# Altium PCB V1_PCB-main.PcbDoc (part 4 of 7)
Units mm, origin at the board's own origin, x right, y up, seen from the top; angles counter-clockwise.
Board outline 178 x 75 mm, 4 copper layers (Top Layer, Inner layer 1, Inner layer 2, Bottom Layer), stack 1.596 mm thick; 451 components, 230 nets, 1388 pads, 724 vias.
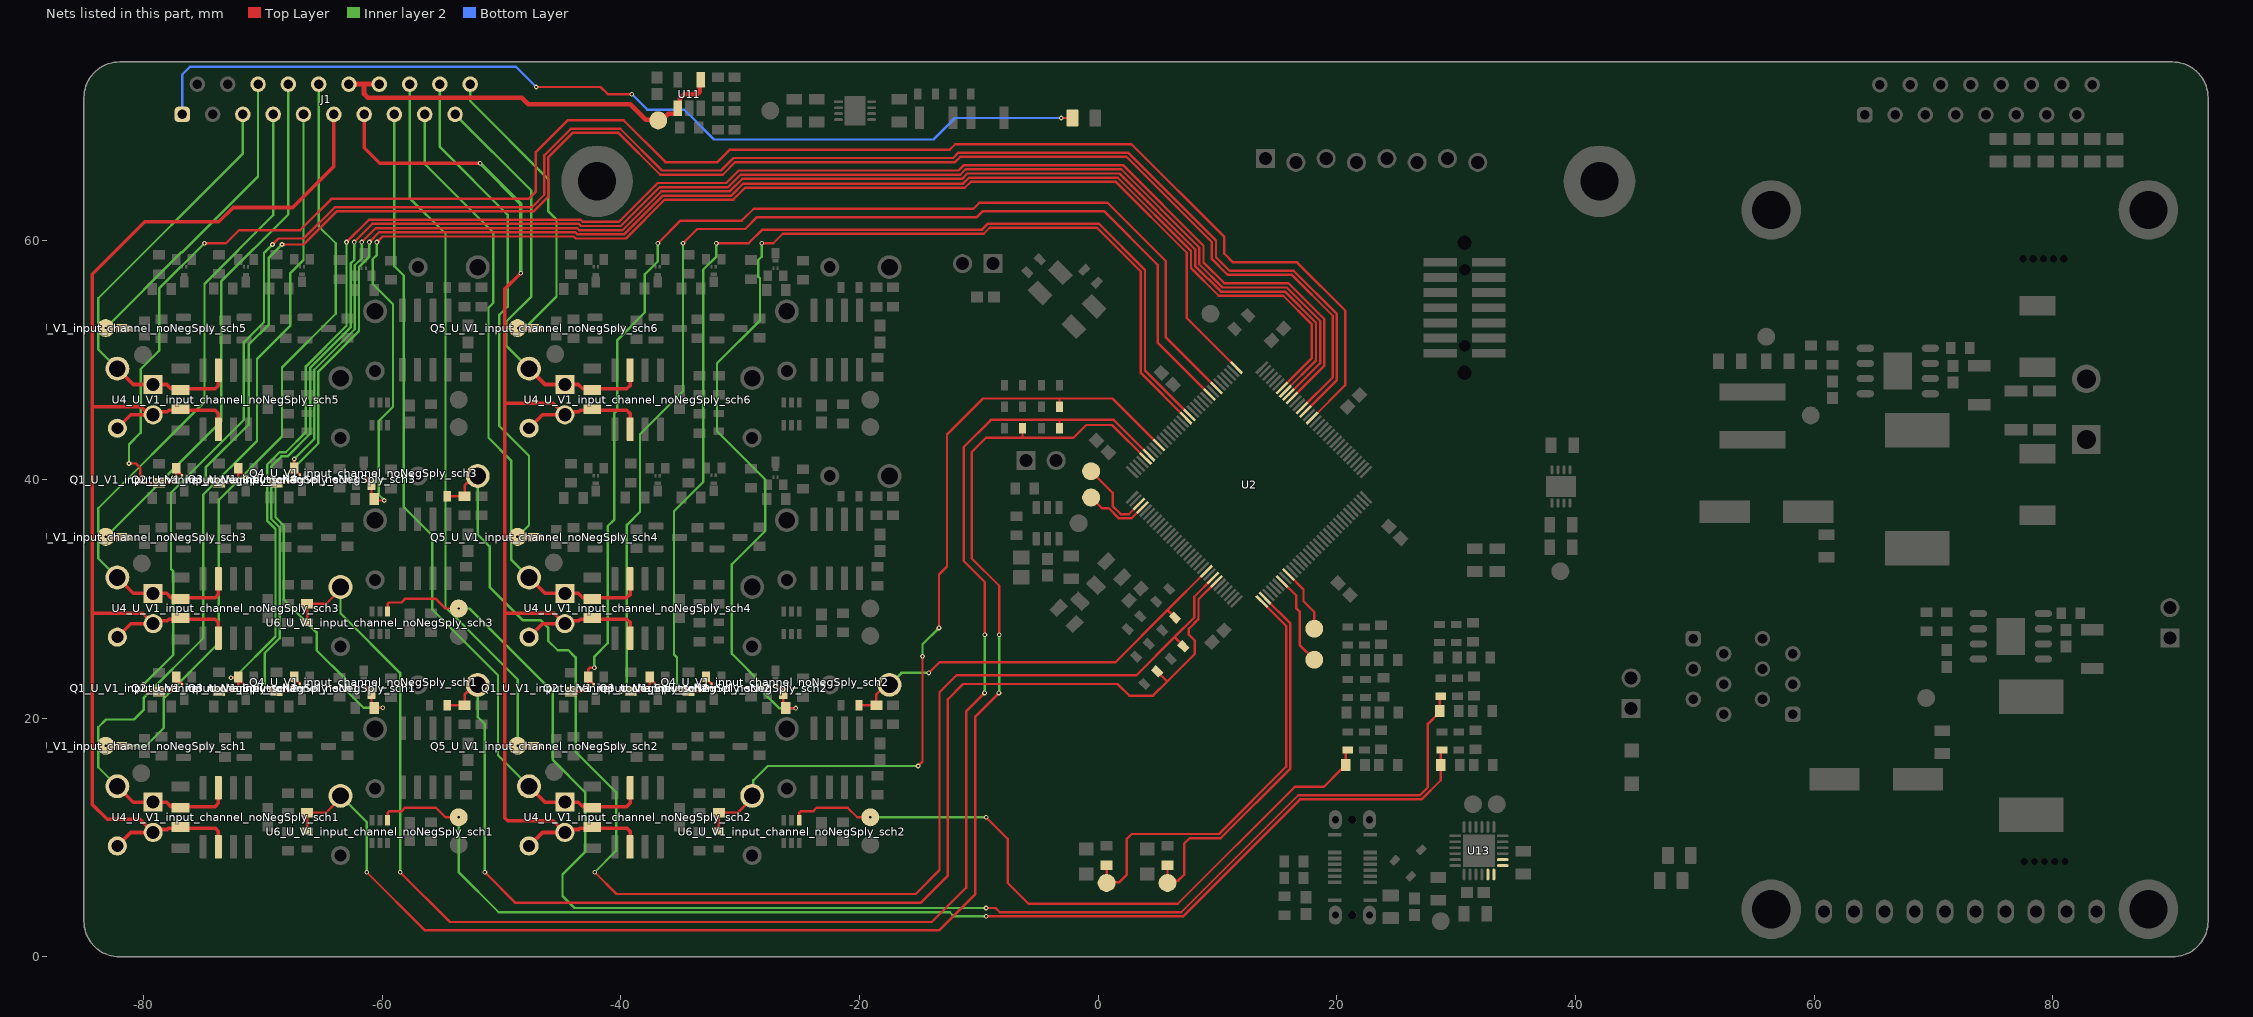
[diagram p6: the nets of this part, all layers, seen from the top]

## Via types
v1: diameter 0.4, hole 0.2, Top Layer to Bottom Layer, tented both sides, 712 vias
v2: diameter 0.5, hole 0.2, Top Layer to Bottom Layer, tented both sides, 12 vias

## Nets (pads, with @x,y where several pads share a name; then routed paths per layer and width w, separated by ;. In a path a pad name is that pad's centre, name@x,y a point inside that pad or via, vN(x,y) a via of type N, cw(c..) or ccw(c..) an arc to the next point about the centre after c; other vN are vias at no path point) (continued)
CH4-CUR: C26_U_V1_input_channel_noNegSply_sch3.2 C47.1 J6_U_V1_input_channel_noNegSply_sch3.POS R22_U_V1_input_channel_noNegSply_sch3.1 U2.57 | length 118.3
  Top Layer w0.2: C26_U_V1_input_channel_noNegSply_sch3.2@-54.55,38.6 R22_U_V1_input_channel_noNegSply_sch3.1@-53.1,38.6 -53.1,39.5 -52.3,40.3 J6_U_V1_input_channel_noNegSply_sch3.POS@-52,40.3 ; v1(-42.2,7.1) -40.375,5.275 -15.3,5.275 -13.3,7.275 -13.3,22.175 -11.875,23.6 3.195,23.6 6.397,26.803 ; C47.1@7.13,26.03 7.13,26.07 6.397,26.803 ; U2.57@9.615,31.752 8.05,30.188 8.05,28.455 6.397,26.803
  Inner layer 2 w0.2: J6_U_V1_input_channel_noNegSply_sch3.POS@-52,40.3 -52,35.4 -51,34.4 -51,31 -48.2,28.2 -46.7,28.2 -46.1,27.6 -46.1,26.5 -45.3,25.7 -44.4,25.7 -43.8,25.1 -43.8,17.2 -40.4,13.8 -40.4,8.9 v1(-42.2,7.1)
CH4-CUR-EN: Q4_U_V1_input_channel_noNegSply_sch3.2 R23_U_V1_input_channel_noNegSply_sch3.1 U2.1 | length 110.1
  Top Layer w0.2: Q4_U_V1_input_channel_noNegSply_sch3.2@-61.375,40.2 -61.375,40.165 -61.15,39.94 -61.15,39.825 Q4_U_V1_input_channel_noNegSply_sch3.2@-60.9,39.575 -60.9,38.6 -60.55,38.25 v1(-59.825,38.25) ; v1(-60.45,59.9) -59.975,60.375 -43.951,60.375 -43.776,60.2 -39.585,60.2 -36.335,63.45 -30.6,63.45 -29.6,64.45 -11.185,64.45 -10.685,64.95 1.485,64.95 7.419,59.016 7.419,53.543 U2.1@11.588,49.373
  Inner layer 2 w0.2: v1(-60.45,59.9) -60.45,58.823 -60.8,58.473 -60.8,56.4 -59.1,54.7 -59.1,46.1 -60.3,44.9 -60.3,38.725 v1(-59.825,38.25)
CH4-SETPOINT: C69.2 R52.1 TP6_U_V1_input_channel_noNegSply_sch3.1 U6_U_V1_input_channel_noNegSply_sch3.1 | length 122.4
  Top Layer w0.2: U6_U_V1_input_channel_noNegSply_sch3.1@-59.55,28.95 -59.55,29.583 -59.433,29.7 -58.4,29.7 -58.1,30 -55.5,30 -54.7,29.2 v1(-53.6,29.2) ; v1(-9.4,4.1) -8.6,4.1 -8.25,3.75 6.955,3.75 16.755,13.55 26.95,13.55 27.625,14.225 27.625,19.525 28.6,20.5 R52.1@28.6,20.6 28.6,21.75 C69.2@28.7,21.85
  Inner layer 2 w0.2: v1(-53.6,29.2) -52.7,29.2 -45.7,22.2 -45.7,16.5 -43,13.8 -43,8.8 -44.9,6.9 -44.9,5.1 -43.9,4.1 v1@-9.407,4.1
CH4-SHNTRNG-1: Q3_U_V1_input_channel_noNegSply_sch3.2 R20_U_V1_input_channel_noNegSply_sch3.1 U2.121 | length 119.9
  Top Layer w0.2: R20_U_V1_input_channel_noNegSply_sch3.1@-68.85,39.75 -67.7,39.75 -67.375,40.075 Q3_U_V1_input_channel_noNegSply_sch3.2@-67.375,40.975 ; v1(-67.375,41.725) Q3_U_V1_input_channel_noNegSply_sch3.2@-67.375,40.975 ; Q3_U_V1_input_channel_noNegSply_sch3.2@-66.9,40.35 -66.9,40.385 -67.125,40.61 -67.125,40.725 Q3_U_V1_input_channel_noNegSply_sch3.2@-67.375,40.975 ; v1(-61.725,59.9) -60.55,61.075 -43.661,61.075 -43.486,60.9 -39.875,60.9 -36.625,64.15 -30.89,64.15 -29.84,65.2 -11.425,65.2 -10.975,65.65 1.775,65.65 8.119,59.306 8.119,57.907 10.275,55.75 15.645,55.75 18.25,53.145 18.25,49.975 U2.121@15.674,47.399
  Inner layer 2 w0.2: v1(-67.375,41.725) -65.7,43.4 -65.7,49.2 -62.3,52.6 -62.3,57.963 -61.725,58.538 v1(-61.725,59.9)
CH4-SHNTRNG-10: Q2_U_V1_input_channel_noNegSply_sch3.2 R16_U_V1_input_channel_noNegSply_sch3.1 U2.116 | length 138.3
  Top Layer w0.2: v1(-74.8,39.725) -73.7,39.725 R16_U_V1_input_channel_noNegSply_sch3.1@-73.675,39.75 -72.4,39.75 -72.075,40.075 Q2_U_V1_input_channel_noNegSply_sch3.2@-72.075,40.95 -71.825,40.7 -71.825,40.585 -71.6,40.36 Q2_U_V1_input_channel_noNegSply_sch3.2@-71.6,40.325 ; v1(-68.4,59.7) -66.6,59.7 -63.825,62.475 -47.32,62.475 -46.075,63.72 -46.075,67.02 -44.045,69.05 -40.205,69.05 -36.705,65.55 -31.47,65.55 -30.42,66.6 -12.004,66.6 -11.554,67.05 2.354,67.05 9.519,59.886 9.519,58.487 10.855,57.15 16.225,57.15 19.65,53.725 19.65,48.555 U2.116@17.084,45.989
  Inner layer 2 w0.2: v1(-74.8,39.725) -74.8,41 -71.2,44.6 -71.2,51.3 -69.5,53 -69.5,58.6 v1(-68.4,59.7)
CH4-SHNTRNG-100: Q1_U_V1_input_channel_noNegSply_sch3.2 R14_U_V1_input_channel_noNegSply_sch3.1 U2.113 | length 148.7
  Top Layer w0.2: v1(-81.225,41.35) -80.65,41.35 -80.275,40.975 -80.275,40.025 -79.975,39.725 R14_U_V1_input_channel_noNegSply_sch3.1@-78.7,39.725 -77.65,39.725 -77.25,40.125 Q1_U_V1_input_channel_noNegSply_sch3.2@-77.25,40.95 -77,40.7 -77,40.585 -76.775,40.36 Q1_U_V1_input_channel_noNegSply_sch3.2@-76.775,40.325 ; v1(-74.9,59.8) -73.095,59.8 -71.995,60.9 -66.885,60.9 -64.26,63.525 -47.755,63.525 -47.125,64.155 -47.125,67.455 -44.48,70.1 -39.77,70.1 -36.27,66.6 -31.904,66.6 -30.854,67.65 -12.439,67.65 -11.989,68.1 2.789,68.1 10.569,60.321 10.569,58.921 11.29,58.2 16.66,58.2 20.7,54.16 20.7,47.913 U2.113@17.93,45.143
  Inner layer 2 w0.2: v1(-81.225,41.35) -81.225,42.95 -80.25,43.925 -80.25,49.25 -78.7,50.8 -78.7,56 v1(-74.9,59.8)
CH4-VOLT: C24_U_V1_input_channel_noNegSply_sch3.2 C48.1 J4_U_V1_input_channel_noNegSply_sch3.POS R12_U_V1_input_channel_noNegSply_sch3.1 U2.27 | length 138.1
  Top Layer w0.2: C24_U_V1_input_channel_noNegSply_sch3.2@-66.3,28.05 R12_U_V1_input_channel_noNegSply_sch3.1@-66.3,29.6 -64.7,29.6 -63.5,30.8 J4_U_V1_input_channel_noNegSply_sch3.POS@-63.5,31 ; v1(-58.5,7.1) -54.325,2.925 -13.95,2.925 -11.075,5.8 -11.075,20.575 v1(-9.525,22.125) ; v1(-9.5,27) -9.5,31.4 -11.275,33.175 -11.275,42.725 -9,45 -3.2,45 ; C48.1@-3.25,44.3 -3.25,44.95 -3.2,45 ; U2.27@4.257,42.042 1.298,45 -3.2,45
  Inner layer 2 w0.2: J4_U_V1_input_channel_noNegSply_sch3.POS@-63.5,31 -63.5,28.8 -58.5,23.8 v1(-58.5,7.1) ; v1(-9.525,22.125) -9.512,22.138 -9.512,26.987 v1(-9.5,27)
CH5-CUR: C26_U_V1_input_channel_noNegSply_sch2.2 C49.1 J6_U_V1_input_channel_noNegSply_sch2.POS R22_U_V1_input_channel_noNegSply_sch2.1 U2.55 | length 35.2
  Top Layer w0.2: C26_U_V1_input_channel_noNegSply_sch2.2@-20.05,21.1 R22_U_V1_input_channel_noNegSply_sch2.1@-18.6,21.1 -18.6,22 -17.8,22.8 J6_U_V1_input_channel_noNegSply_sch2.POS@-17.5,22.8 ; v1(-14.2,23.8) -13.3,24.7 1.434,24.7 5.8,29.066 ; C49.1@6.43,28.436 5.8,29.066 ; U2.55@9.051,32.316 5.8,29.066
  Inner layer 2 w0.2: J6_U_V1_input_channel_noNegSply_sch2.POS@-17.5,22.8 -16.5,23.8 v1(-14.2,23.8)
CH5-CUR-EN: Q4_U_V1_input_channel_noNegSply_sch2.2 R23_U_V1_input_channel_noNegSply_sch2.1 U2.16 | length 97.1
  Top Layer w0.2: v1(-28.2,59.8) -27.236,59.8 -26.436,60.6 -24.2,60.6 -13.985,60.6 -9.59,60.6 -9.09,61.1 -0.11,61.1 3.569,57.421 3.569,48.934 U2.16@7.359,45.143 ; Q4_U_V1_input_channel_noNegSply_sch2.2@-26.875,22.7 -26.875,22.665 -26.65,22.44 -26.65,22.325 Q4_U_V1_input_channel_noNegSply_sch2.2@-26.4,22.075 -26.4,21.1 R23_U_V1_input_channel_noNegSply_sch2.1@-26.175,20.875 -26.15,20.85 v1(-25.35,20.85)
  Inner layer 2 w0.2: v1(-28.2,59.8) -28.2,58.683 -28.5,58.383 -28.5,57.02 -28.35,56.87 -28.35,53.345 -31.95,49.745 -31.95,44.055 -27.9,40.005 -27.9,35.7 -30.7,32.9 -30.7,25.4 -28,22.7 -28,22.1 -26.75,20.85 v1(-25.35,20.85)
CH5-SETPOINT: C71.2 R54.1 TP6_U_V1_input_channel_noNegSply_sch2.1 U6_U_V1_input_channel_noNegSply_sch2.1 | length 58.3
  Top Layer w0.2: U6_U_V1_input_channel_noNegSply_sch2.1@-25.05,11.45 -25.05,12.083 -24.933,12.2 -23.9,12.2 -23.6,12.5 -21,12.5 -20.2,11.7 v1(-19.1,11.7) ; v1(-9.4,11.7) -7.6,9.9 -7.6,6.21 -5.84,4.45 6.665,4.45 16.465,14.25 18.9,14.25 20.35,15.7 20.45,15.7 20.75,16 R54.1@20.75,16.1 20.75,17.2 C71.2@20.9,17.35
  Inner layer 2 w0.2: v1(-19.1,11.7) v1(-9.4,11.7)
CH5-SHNTRNG-1: Q3_U_V1_input_channel_noNegSply_sch2.2 R20_U_V1_input_channel_noNegSply_sch2.1 U2.15 | length 95.1
  Top Layer w0.2: v1(-35.3,22.5) -35.05,22.25 R20_U_V1_input_channel_noNegSply_sch2.1@-34.35,22.25 -33.25,22.25 -32.875,22.625 Q3_U_V1_input_channel_noNegSply_sch2.2@-32.875,23.475 -32.625,23.225 -32.625,23.11 -32.4,22.885 Q3_U_V1_input_channel_noNegSply_sch2.2@-32.4,22.85 ; v1(-32,59.8) -29.3,59.8 -28.15,60.95 -9.735,60.95 -9.235,61.45 0.035,61.45 3.919,57.566 3.919,49.147 U2.15@7.641,45.425
  Inner layer 2 w0.2: v1(-35.3,22.5) -35.3,25.095 -35.55,25.345 -35.55,37.35 -33.1,39.8 -33.1,57.6 -32,58.7 v1(-32,59.8)
CH5-SHNTRNG-10: Q2_U_V1_input_channel_noNegSply_sch2.2 R16_U_V1_input_channel_noNegSply_sch2.1 U2.9 | length 99.3
  Top Layer w0.2: v1(-40,22.25) R16_U_V1_input_channel_noNegSply_sch2.1@-39.175,22.25 -38.375,22.25 -38.1,22.525 -37.85,22.525 -37.575,22.8 Q2_U_V1_input_channel_noNegSply_sch2.2@-37.575,23.45 -37.325,23.2 -37.325,23.085 -37.1,22.86 Q2_U_V1_input_channel_noNegSply_sch2.2@-37.1,22.825 ; v1(-34.8,59.8) -33.6,61 -29.585,61 -28.585,62 -10.17,62 -9.67,62.5 0.47,62.5 4.969,58.001 4.969,51.481 U2.9@9.333,47.117
  Inner layer 2 w0.2: v1(-40,22.25) -39.5,22.75 -39.5,36.2 -38.4,37.3 -38.4,43.805 -34.8,47.405 v1(-34.8,59.8)
CH5-SHNTRNG-100: Q1_U_V1_input_channel_noNegSply_sch2.2 R14_U_V1_input_channel_noNegSply_sch2.1 U2.7 | length 100.6
  Top Layer w0.2: R14_U_V1_input_channel_noNegSply_sch2.1@-44.2,22.225 -43.15,22.225 -42.75,22.625 Q1_U_V1_input_channel_noNegSply_sch2.2@-42.75,23.45 ; Q1_U_V1_input_channel_noNegSply_sch2.2@-42.275,22.825 -42.275,22.86 -42.5,23.085 -42.5,23.2 Q1_U_V1_input_channel_noNegSply_sch2.2@-42.75,23.45 ; v1(-42.225,24.225) -42.233,24.217 -42.633,24.217 -42.75,24.1 Q1_U_V1_input_channel_noNegSply_sch2.2@-42.75,23.45 ; v1(-36.9,59.8) -35,61.7 -29.875,61.7 -28.875,62.7 -10.46,62.7 -9.96,63.2 0.76,63.2 5.669,58.291 5.669,51.909 U2.7@9.897,47.681
  Inner layer 2 w0.2: v1(-42.225,24.225) -42.225,25.175 -41.1,26.3 -41.1,36.1 -40.575,36.625 -40.575,45.55 -40.3,45.825 -40.3,51.7 -38,54 -38,57.2 -36.9,58.3 v1(-36.9,59.8)
CH5-VOLT: C24_U_V1_input_channel_noNegSply_sch2.2 C74.1 J4_U_V1_input_channel_noNegSply_sch2.POS R12_U_V1_input_channel_noNegSply_sch2.1 U2.24 | length 70.8
  Top Layer w0.2: C24_U_V1_input_channel_noNegSply_sch2.2@-31.8,10.55 R12_U_V1_input_channel_noNegSply_sch2.1@-31.8,12.1 -30.2,12.1 -29,13.3 J4_U_V1_input_channel_noNegSply_sch2.POS@-29,13.5 ; v1(-15.1,16) -14.725,16.375 v1(-14.725,25.2) ; v1(-13.35,27.575) -13.35,32.05 -12.675,32.725 -12.675,43.775 -9.65,46.8 -3.2,46.8 ; C74.1@-3.25,46.1 -3.25,46.75 -3.2,46.8 ; U2.24@5.103,42.887 1.19,46.8 -3.2,46.8
  Inner layer 2 w0.2: J4_U_V1_input_channel_noNegSply_sch2.POS@-29,13.5 -28.9,13.6 -28.9,14.8 -27.7,16 v1(-15.1,16) ; v1(-14.725,25.2) -14.725,26.2 v1(-13.35,27.575)
CH6-CUR: C26_U_V1_input_channel_noNegSply_sch1.2 C75.1 J6_U_V1_input_channel_noNegSply_sch1.POS R22_U_V1_input_channel_noNegSply_sch1.1 U2.58 | length 106.9
  Top Layer w0.2: C26_U_V1_input_channel_noNegSply_sch1.2@-54.55,21.1 R22_U_V1_input_channel_noNegSply_sch1.1@-53.1,21.1 -53.1,22 -52.3,22.8 J6_U_V1_input_channel_noNegSply_sch1.POS@-52,22.8 ; v1(-51.4,7.1) -48.825,4.525 -14.9,4.525 -12.6,6.825 -12.6,21.6 -11.325,22.875 1.625,22.875 2.6,21.9 4.6,21.9 5.8,23.1 ; C75.1@4.93,23.93 5.761,23.1 5.8,23.1 ; U2.58@9.897,31.47 8.4,29.974 8.4,28.31 7.595,27.505 7.595,27.005 8.1,26.5 8.1,25.4 5.8,23.1
  Inner layer 2 w0.2: J6_U_V1_input_channel_noNegSply_sch1.POS@-52,22.8 -52,20.1 -51.4,19.5 v1(-51.4,7.1)
CH6-CUR-EN: Q4_U_V1_input_channel_noNegSply_sch1.2 R23_U_V1_input_channel_noNegSply_sch1.1 U2.122 | length 143.4
  Top Layer w0.2: Q4_U_V1_input_channel_noNegSply_sch1.2@-61.375,22.7 -61.375,22.665 -61.15,22.44 -61.15,22.325 Q4_U_V1_input_channel_noNegSply_sch1.2@-60.9,22.075 -60.9,21.1 R23_U_V1_input_channel_noNegSply_sch1.1@-60.675,20.875 v1(-59.968,20.875) ; v1(-61.075,59.9) -61.075,59.914 -60.264,60.725 -43.806,60.725 -43.631,60.55 -39.73,60.55 -36.48,63.8 -30.745,63.8 -29.745,64.8 -11.33,64.8 -10.83,65.3 1.63,65.3 7.769,59.161 7.769,57.731 10.1,55.4 15.5,55.4 17.9,53 17.9,50.189 U2.122@15.392,47.681
  Inner layer 2 w0.2: v1(-61.075,59.9) -61.075,58.693 -61.95,57.818 -61.95,52.455 -65.35,49.055 -65.35,43.05 -68.95,39.45 -68.95,36.845 -68.25,36.145 -68.25,29.95 -65.5,27.2 -65.5,25.7 -63,23.2 -63,22.3 -61.575,20.875 v1(-59.968,20.875)
CH6-SETPOINT: C73.2 R56.1 TP6_U_V1_input_channel_noNegSply_sch1.1 U6_U_V1_input_channel_noNegSply_sch1.1 | length 102.8
  Top Layer w0.2: U6_U_V1_input_channel_noNegSply_sch1.1@-59.55,11.45 -59.55,12.083 -59.433,12.2 -58.4,12.2 -58.1,12.5 -55.5,12.5 -54.7,11.7 v1(-53.6,11.7) ; v1(-9.4,3.4) 7.1,3.4 16.9,13.2 27.1,13.2 28.7,14.8 R56.1@28.7,16.1 28.7,17.25 C73.2@28.8,17.35
  Inner layer 2 w0.2: v1(-53.6,11.7) -53.6,7.105 -50.245,3.75 -12.45,3.75 -12.1,3.4 v1(-9.4,3.4)
CH6-SHNTRNG-1: Q3_U_V1_input_channel_noNegSply_sch1.2 R20_U_V1_input_channel_noNegSply_sch1.1 U2.120 | length 142.8
  Top Layer w0.2: v1(-69.85,22.45) -69.05,22.45 R20_U_V1_input_channel_noNegSply_sch1.1@-68.85,22.25 -67.8,22.25 -67.375,22.675 Q3_U_V1_input_channel_noNegSply_sch1.2@-67.375,23.475 -67.125,23.225 -67.125,23.11 -66.9,22.885 Q3_U_V1_input_channel_noNegSply_sch1.2@-66.9,22.85 ; v1(-62.35,59.9) -62.35,59.914 -60.839,61.425 -43.516,61.425 -43.341,61.25 -40.02,61.25 -36.77,64.5 -31.035,64.5 -29.985,65.55 -11.57,65.55 -11.12,66 1.92,66 8.469,59.451 8.469,58.052 10.42,56.1 15.79,56.1 18.6,53.29 18.6,49.761 U2.120@15.956,47.117
  Inner layer 2 w0.2: v1(-69.85,22.45) -69.85,25.455 -68.6,26.705 -68.6,36 -69.3,36.7 -69.3,41.1 -68.453,41.947 -67.947,41.947 -66.05,43.845 -66.05,49.345 -62.65,52.745 -62.65,58.108 -62.35,58.408 v1(-62.35,59.9)
CH6-SHNTRNG-10: Q2_U_V1_input_channel_noNegSply_sch1.2 R16_U_V1_input_channel_noNegSply_sch1.1 U2.119 | length 144.2
  Top Layer w0.2: R16_U_V1_input_channel_noNegSply_sch1.1@-73.675,22.25 -72.475,22.25 -72.075,22.65 Q2_U_V1_input_channel_noNegSply_sch1.2@-72.075,23.45 ; v1(-72.675,23.4) -72.125,23.4 Q2_U_V1_input_channel_noNegSply_sch1.2@-72.075,23.45 ; Q2_U_V1_input_channel_noNegSply_sch1.2@-71.6,22.825 -71.6,22.86 -71.825,23.085 -71.825,23.2 Q2_U_V1_input_channel_noNegSply_sch1.2@-72.075,23.45 ; v1(-63,59.9) -61.125,61.775 -43.371,61.775 -43.196,61.6 -40.165,61.6 -36.915,64.85 -31.18,64.85 -30.13,65.9 -11.715,65.9 -11.265,66.35 2.065,66.35 8.819,59.596 8.819,58.197 10.565,56.45 15.935,56.45 18.95,53.435 18.95,49.547 U2.119@16.238,46.835
  Inner layer 2 w0.2: v1(-72.675,23.4) -72.4,23.4 -68.95,26.85 -68.95,35.855 -69.5,36.405 -69.65,36.555 -69.65,41.245 -68.597,42.297 -68.092,42.297 -66.4,43.99 -66.4,49.49 -63,52.89 v1(-63,59.9)
CH6-SHNTRNG-100: Q1_U_V1_input_channel_noNegSply_sch1.2 R14_U_V1_input_channel_noNegSply_sch1.1 U2.115 | length 159.4
  Top Layer w0.2: v1(-80,22.825) -79.967,22.792 -79.967,22.342 -79.85,22.225 R14_U_V1_input_channel_noNegSply_sch1.1@-78.7,22.225 -77.725,22.225 -77.25,22.7 Q1_U_V1_input_channel_noNegSply_sch1.2@-77.25,23.45 -77,23.2 -77,23.085 -76.775,22.86 Q1_U_V1_input_channel_noNegSply_sch1.2@-76.775,22.825 ; v1(-69.2,59.7) -68.7,60.2 -66.595,60.2 -63.97,62.825 -47.465,62.825 -46.425,63.865 -46.425,67.165 -44.19,69.4 -40.06,69.4 -36.56,65.9 -31.615,65.9 -30.565,66.95 -12.149,66.95 -11.699,67.4 2.499,67.4 9.869,60.031 9.869,58.631 11,57.5 16.37,57.5 20,53.87 20,48.341 U2.115@17.366,45.707
  Inner layer 2 w0.2: v1(-80,22.825) -77.5,25.325 -77.5,32.3 -77.7,32.5 -77.7,38.9 -71.6,45 -71.6,51.5 -69.91,53.19 -69.91,58.99 v1(-69.2,59.7)
CH6-VOLT: C24_U_V1_input_channel_noNegSply_sch1.2 C76.1 J4_U_V1_input_channel_noNegSply_sch1.POS R12_U_V1_input_channel_noNegSply_sch1.1 U2.28 | length 123
  Top Layer w0.2: C24_U_V1_input_channel_noNegSply_sch1.2@-66.3,10.55 R12_U_V1_input_channel_noNegSply_sch1.1@-66.3,12.1 -64.7,12.1 -63.5,13.3 J4_U_V1_input_channel_noNegSply_sch1.POS@-63.5,13.5 ; v1(-61.3,7.1) -56.425,2.225 -13.35,2.225 -10.3,5.275 -10.3,20.15 v1(-8.325,22.125) ; v1(-8.3,27) -8.3,31.1 -10.6,33.4 -10.6,42.3 -9.4,43.5 -6.4,43.5 ; C76.1@-6.35,44.3 -6.35,43.55 -6.4,43.5 ; U2.28@3.975,41.76 1.16,44.575 -1,44.575 -2.075,43.5 -6.4,43.5
  Inner layer 2 w0.2: J4_U_V1_input_channel_noNegSply_sch1.POS@-63.5,13.5 -61.3,11.3 v1(-61.3,7.1) ; v1(-8.325,22.125) -8.313,22.137 -8.313,26.987 v1(-8.3,27)
CP_GPIO_0: U13.14
CP_GPIO_1: U13.13
CP_GPIO_2: U13.12
CP_GPIO_3: U13.11
DBG-LED-1: R4.1 TP1.1 U2.66 | length 32.4
  Top Layer w0.2: R4.1@5.8,7.7 TP1.1@5.8,6.2 5.992,6.392 6.692,6.392 7.2,6.9 7.2,9.5 7.65,9.95 10.25,9.95 16.1,15.8 16.1,27.943 U2.66@13.982,30.06
DBG-LED-2: R6.1 TP3.1 U2.65 | length 38
  Top Layer w0.2: R6.1@0.7,7.7 TP3.1@0.7,6.2 0.75,6.25 1.75,6.25 2.4,6.9 2.4,9.9 2.8,10.3 10.105,10.3 15.75,15.945 15.75,27.729 U2.65@13.7,29.778 14.391,29.088
DBG-PAD-1: TP10.1 U2.71 | length 7.7
  Top Layer w0.2: U2.71@15.392,31.47 16.6,30.262 16.6,29.2 16.9,28.9 16.9,26.1 TP10.1@18.1,24.9
DBG-PAD-2: TP11.1 U2.73 | length 5.4
  Top Layer w0.2: U2.73@15.956,32.034 17.2,30.79 17.2,29.8 18.1,28.9 TP11.1@18.1,27.5
DBG-PAD-3: TP7.1 U2.35 | length 6.5
  Top Layer w0.2: TP7.1@-0.6,40.7 1.2,38.9 1.2,37.8 1.9,37.1 2.555,37.1 U2.35@3.411,37.956
DBG-PAD-4: TP8.1 U2.36 | length 5.4
  Top Layer w0.2: TP8.1@-0.6,38.5 0.3,37.6 0.9,37.6 1.75,36.75 2.769,36.75 U2.36@3.693,37.674
DUT-A1: J1.19 J3_U_V1_input_channel_noNegSply_sch6.POS P5_U_V1_input_channel_noNegSply_sch6.1 R11_U_V1_input_channel_noNegSply_sch6.1 U4_U_V1_input_channel_noNegSply_sch6.3 | length 36.2
  Top Layer w0.3: J3_U_V1_input_channel_noNegSply_sch6.POS@-47.7,49.3 -46.37,47.97 P5_U_V1_input_channel_noNegSply_sch6.1@-44.7,47.97 -43.57,47.97 -43.2,47.6 -42.4,47.6 -39.5,47.6 -39.235,47.865 U4_U_V1_input_channel_noNegSply_sch6.3@-39.235,49.175
  Inner layer 2 w0.2: J1.19@-53.9,70.6 -47.5,64.2 -47.5,55.35 -49.625,53.225 -49.625,51.227 J3_U_V1_input_channel_noNegSply_sch6.POS@-47.7,49.3 J3_U_V1_input_channel_noNegSply_sch6.POS@-47.7,49.3
DUT-A2: J1.20 Q5_U_V1_input_channel_noNegSply_sch6.3 TP22_U_V1_input_channel_noNegSply_sch6.1 | length 27.1
  Top Layer w0.3: v1(-48.625,52.675) -48.612,52.688 -47.337,52.688 Q5_U_V1_input_channel_noNegSply_sch6.3@-47.325,52.675 Q5_U_V1_input_channel_noNegSply_sch6.3@-46.7,52.675
  Inner layer 2 w0.2: J1.20@-52.63,73.14 -52.63,71.73 -46.1,65.2 -46.1,62.5 -45.4,61.8 -45.4,55.35 -48.075,52.675 v1(-48.625,52.675)
DUT-B1: J1.5 J3_U_V1_input_channel_noNegSply_sch5.POS P5_U_V1_input_channel_noNegSply_sch5.1 R11_U_V1_input_channel_noNegSply_sch5.1 U4_U_V1_input_channel_noNegSply_sch5.3 | length 37.6
  Top Layer w0.3: J3_U_V1_input_channel_noNegSply_sch5.POS@-82.2,49.3 -80.87,47.97 P5_U_V1_input_channel_noNegSply_sch5.1@-79.2,47.97 -78.07,47.97 -77.7,47.6 -76.9,47.6 -74,47.6 -73.735,47.865 U4_U_V1_input_channel_noNegSply_sch5.3@-73.735,49.175
  Inner layer 2 w0.2: J3_U_V1_input_channel_noNegSply_sch5.POS@-82.2,49.3 -83.8,50.9 -83.8,55.2 -71.68,67.32 J1.5@-71.68,70.6
DUT-B2: J1.6 Q5_U_V1_input_channel_noNegSply_sch5.3 TP22_U_V1_input_channel_noNegSply_sch5.1 | length 27.8
  Top Layer w0.2: v1(-83.175,52.7) -81.85,52.7 Q5_U_V1_input_channel_noNegSply_sch5.3@-81.825,52.675 Q5_U_V1_input_channel_noNegSply_sch5.3@-81.2,52.675
  Inner layer 2 w0.2: v1(-83.175,52.7) -76.811,59.064 -76.736,59.064 -70.41,65.39 J1.6@-70.41,73.14
DUT-BB11: J1.13 J3_U_V1_input_channel_noNegSply_sch2.NEG J3_U_V1_input_channel_noNegSply_sch4.NEG J3_U_V1_input_channel_noNegSply_sch6.NEG P5_U_V1_input_channel_noNegSply_sch2.2 P5_U_V1_input_channel_noNegSply_sch4.2 P5_U_V1_input_channel_noNegSply_sch6.2 R13_U_V1_input_channel_noNegSply_sch2.2 R13_U_V1_input_channel_noNegSply_sch4.2 R13_U_V1_input_channel_noNegSply_sch6.2 U4_U_V1_input_channel_noNegSply_sch2.6 U4_U_V1_input_channel_noNegSply_sch4.6 U4_U_V1_input_channel_noNegSply_sch6.6 | length 117.7
  Top Layer w0.3: J1.13@-61.52,70.6 -61.52,67.82 -60.2,66.5 v1(-51.8,66.5) ; -49.7,46.4 -45.67,46.4 P5_U_V1_input_channel_noNegSply_sch6.2@-44.7,45.43 ; v1(-48.4,57.3) -49.75,55.95 -49.75,28.8 ; J3_U_V1_input_channel_noNegSply_sch2.NEG@-47.7,9.3 -47.695,9.3 -46.565,10.43 P5_U_V1_input_channel_noNegSply_sch2.2@-44.7,10.43 ; J3_U_V1_input_channel_noNegSply_sch4.NEG@-47.7,26.8 -47.695,26.8 -46.565,27.93 P5_U_V1_input_channel_noNegSply_sch4.2@-44.728,27.93 ; J3_U_V1_input_channel_noNegSply_sch6.NEG@-47.7,44.3 -47.695,44.3 -46.565,45.43 P5_U_V1_input_channel_noNegSply_sch6.2@-44.7,45.43 ; U4_U_V1_input_channel_noNegSply_sch2.6@-39.235,9.225 -39.235,10.535 -39.5,10.8 -43.4,10.8 -43.521,10.679 -44.451,10.679 P5_U_V1_input_channel_noNegSply_sch2.2@-44.7,10.43 ; U4_U_V1_input_channel_noNegSply_sch4.6@-39.235,26.725 -39.235,28.035 -39.5,28.3 -43.4,28.3 -43.521,28.179 -44.451,28.179 P5_U_V1_input_channel_noNegSply_sch4.2@-44.7,27.93 P5_U_V1_input_channel_noNegSply_sch4.2@-44.728,27.93 ; U4_U_V1_input_channel_noNegSply_sch6.6@-39.235,44.225 -39.235,45.535 -39.5,45.8 -43.4,45.8 -43.521,45.679 -44.451,45.679 P5_U_V1_input_channel_noNegSply_sch6.2@-44.7,45.43 ; -49.75,28.8 -49.75,11.675 -49.475,11.4 -45.67,11.4 P5_U_V1_input_channel_noNegSply_sch2.2@-44.7,10.43 ; -49.75,28.8 -45.598,28.8 P5_U_V1_input_channel_noNegSply_sch4.2@-44.728,27.93
  Inner layer 2 w0.3: v1(-51.8,66.5) -48.4,63.1 v1(-48.4,57.3)
DUT-BB12: J1.12 J1.14 TP17.1 U11.1 U11.4 | length 35.1
  Top Layer w0.4: J1.12@-62.79,73.14 -61.52,73.14 ; J1.14@-60.21,73.1 J1.14@-60.25,73.14 -61.52,73.14 ; U11.4@-33.325,73.5 -33.4,73.425 -33.4,72.5 -33.6,72.3 -34.7,72.3 -35.075,71.925 -35.075,71.25 U11.1@-35.225,71.1 -35.225,70.8 -35.375,70.65 -36.027,70.65 -36.577,70.1 TP17.1@-36.875,70.1 -36.937,70.162 -37.923,70.162 -39.211,71.45 -47.75,71.45 -48.3,72 -61.2,72 -61.52,72.32 -61.52,73.14
DUT-BB21: J1.11 J3_U_V1_input_channel_noNegSply_sch1.NEG J3_U_V1_input_channel_noNegSply_sch3.NEG J3_U_V1_input_channel_noNegSply_sch5.NEG P5_U_V1_input_channel_noNegSply_sch1.2 P5_U_V1_input_channel_noNegSply_sch3.2 P5_U_V1_input_channel_noNegSply_sch5.2 R13_U_V1_input_channel_noNegSply_sch1.2 R13_U_V1_input_channel_noNegSply_sch3.2 R13_U_V1_input_channel_noNegSply_sch5.2 U4_U_V1_input_channel_noNegSply_sch1.6 U4_U_V1_input_channel_noNegSply_sch3.6 U4_U_V1_input_channel_noNegSply_sch5.6 | length 120.9
  Top Layer w0.3: J3_U_V1_input_channel_noNegSply_sch1.NEG@-82.2,9.3 -82.195,9.3 -81.065,10.43 P5_U_V1_input_channel_noNegSply_sch1.2@-79.2,10.43 ; J3_U_V1_input_channel_noNegSply_sch3.NEG@-82.2,26.8 -82.195,26.8 -81.065,27.93 P5_U_V1_input_channel_noNegSply_sch3.2@-79.2,27.93 ; J3_U_V1_input_channel_noNegSply_sch5.NEG@-82.2,44.3 -82.195,44.3 -81.065,45.43 P5_U_V1_input_channel_noNegSply_sch5.2@-79.552,45.43 ; U4_U_V1_input_channel_noNegSply_sch1.6@-73.735,9.225 -73.735,10.535 -74,10.8 -76.9,10.8 -77.9,10.8 -78.021,10.679 -78.951,10.679 P5_U_V1_input_channel_noNegSply_sch1.2@-79.2,10.43 ; U4_U_V1_input_channel_noNegSply_sch3.6@-73.735,26.725 -73.735,28.035 -74,28.3 -76.9,28.3 -77.9,28.3 -78.021,28.179 -78.951,28.179 P5_U_V1_input_channel_noNegSply_sch3.2@-79.2,27.93 ; U4_U_V1_input_channel_noNegSply_sch5.6@-73.735,44.225 -73.735,45.535 -74,45.8 -76.9,45.8 -77.9,45.8 -78.021,45.679 -78.951,45.679 P5_U_V1_input_channel_noNegSply_sch5.2@-79.2,45.43 P5_U_V1_input_channel_noNegSply_sch5.2@-79.552,45.43 ; J1.11@-64.06,70.6 -64.06,66.24 -67.5,62.8 -72.5,62.8 -73.7,61.6 -79.9,61.6 -84.3,57.2 -84.3,46.2 ; -84.3,28.8 -84.3,46.2 ; -84.3,28.8 -80.07,28.8 P5_U_V1_input_channel_noNegSply_sch3.2@-79.2,27.93 ; -84.3,28.8 -84.3,12.776 -83.052,11.527 -80.297,11.527 P5_U_V1_input_channel_noNegSply_sch1.2@-79.2,10.43 ; -84.3,46.2 -84.2,46.1 -80.222,46.1 P5_U_V1_input_channel_noNegSply_sch5.2@-79.552,45.43
DUT-C1: J1.17 J3_U_V1_input_channel_noNegSply_sch4.POS P5_U_V1_input_channel_noNegSply_sch4.1 R11_U_V1_input_channel_noNegSply_sch4.1 U4_U_V1_input_channel_noNegSply_sch4.3 | length 53.3
  Top Layer w0.3: J3_U_V1_input_channel_noNegSply_sch4.POS@-47.7,31.8 -46.37,30.47 -43.57,30.47 -43.2,30.1 -39.5,30.1 -39.235,30.365 U4_U_V1_input_channel_noNegSply_sch4.3@-39.235,31.675
  Inner layer 2 w0.2: J1.17@-56.44,70.6 -56.44,66.44 -50.7,60.7 -50.7,54.8 -51.1,54.4 -51.1,43.5 -49.2,41.6 -49.2,33.3 J3_U_V1_input_channel_noNegSply_sch4.POS@-47.7,31.8
DUT-C2: J1.18 Q5_U_V1_input_channel_noNegSply_sch4.3 TP22_U_V1_input_channel_noNegSply_sch4.1 | length 44
  Top Layer w0.3: v1(-48.675,35.2) -48.663,35.188 -47.337,35.188 Q5_U_V1_input_channel_noNegSply_sch4.3@-47.325,35.175 Q5_U_V1_input_channel_noNegSply_sch4.3@-46.7,35.175
  Inner layer 2 w0.2: J1.18@-55.17,73.14 -55.17,67.87 -49.5,62.2 -49.5,54.5 -50.2,53.8 -50.2,44.5 -47.7,42 -47.7,36.175 v1(-48.675,35.2)
DUT-D1: J1.7 J3_U_V1_input_channel_noNegSply_sch3.POS P5_U_V1_input_channel_noNegSply_sch3.1 R11_U_V1_input_channel_noNegSply_sch3.1 U4_U_V1_input_channel_noNegSply_sch3.3 | length 56.1
  Top Layer w0.3: J3_U_V1_input_channel_noNegSply_sch3.POS@-82.2,31.8 -80.87,30.47 P5_U_V1_input_channel_noNegSply_sch3.1@-79.2,30.47 -78.07,30.47 -77.7,30.1 -76.9,30.1 -74,30.1 -73.735,30.365 U4_U_V1_input_channel_noNegSply_sch3.3@-73.735,31.675
  Inner layer 2 w0.2: J3_U_V1_input_channel_noNegSply_sch3.POS@-82.2,31.8 -83.8,33.4 -83.8,37.6 -74.9,46.5 -74.9,56.4 -69.14,62.16 J1.7@-69.14,70.6
DUT-D2: J1.8 Q5_U_V1_input_channel_noNegSply_sch3.3 TP22_U_V1_input_channel_noNegSply_sch3.1 | length 46.3
  Top Layer w0.2: Q5_U_V1_input_channel_noNegSply_sch3.3@-81.825,35.175 Q5_U_V1_input_channel_noNegSply_sch3.3@-81.2,35.175
  Top Layer w0.3: v1(-83.175,35.2) -83.163,35.188 -81.837,35.188 Q5_U_V1_input_channel_noNegSply_sch3.3@-81.825,35.175
  Inner layer 2 w0.2: v1(-83.175,35.2) -73.5,44.875 -73.5,56.6 -67.87,62.23 J1.8@-67.87,73.14
DUT-E1: J1.15 J3_U_V1_input_channel_noNegSply_sch2.POS P5_U_V1_input_channel_noNegSply_sch2.1 R11_U_V1_input_channel_noNegSply_sch2.1 U4_U_V1_input_channel_noNegSply_sch2.3 | length 71.6
  Top Layer w0.3: J3_U_V1_input_channel_noNegSply_sch2.POS@-47.7,14.3 -46.37,12.97 P5_U_V1_input_channel_noNegSply_sch2.1@-44.7,12.97 -43.57,12.97 -43.2,12.6 -39.5,12.6 -39.235,12.865 U4_U_V1_input_channel_noNegSply_sch2.3@-39.235,14.175
  Inner layer 2 w0.2: J1.15@-58.98,70.6 -58.98,57.88 -58.2,57.1 -58.2,37.7 -55.8,35.3 -55.8,29.1 -50.3,23.6 -50.3,16.9 J3_U_V1_input_channel_noNegSply_sch2.POS@-47.7,14.3
DUT-E2: J1.16 Q5_U_V1_input_channel_noNegSply_sch2.3 TP22_U_V1_input_channel_noNegSply_sch2.1 | length 61.2
  Top Layer w0.3: TP22_U_V1_input_channel_noNegSply_sch2.1@-48.675,17.7 v1(-48.65,17.7) -48.637,17.688 -47.337,17.688 Q5_U_V1_input_channel_noNegSply_sch2.3@-47.325,17.675 Q5_U_V1_input_channel_noNegSply_sch2.3@-46.7,17.675
  Inner layer 2 w0.2: J1.16@-57.71,73.14 -57.71,63.61 -54.7,60.6 -54.7,29.3 -48.65,23.25 v1(-48.65,17.7)
DUT-F1: J1.9 J3_U_V1_input_channel_noNegSply_sch1.POS P5_U_V1_input_channel_noNegSply_sch1.1 R11_U_V1_input_channel_noNegSply_sch1.1 U4_U_V1_input_channel_noNegSply_sch1.3 | length 76.1
  Top Layer w0.3: J3_U_V1_input_channel_noNegSply_sch1.POS@-82.2,14.3 -80.87,12.97 -78.07,12.97 -77.7,12.6 -74,12.6 -73.735,12.865 U4_U_V1_input_channel_noNegSply_sch1.3@-73.735,14.175
  Inner layer 2 w0.2: J3_U_V1_input_channel_noNegSply_sch1.POS@-82.2,14.3 -83.8,15.9 -83.8,19.25 -83.15,19.9 -80.8,19.9 -80,20.7 -80,21.7 -75,26.7 -75,38.743 -70.5,43.243 -70.5,50.1 -67.7,52.9 -67.7,57.3 -66.6,58.4 J1.9@-66.6,70.6
DUT-F2: J1.10 Q5_U_V1_input_channel_noNegSply_sch1.3 TP22_U_V1_input_channel_noNegSply_sch1.1 | length 68
  Top Layer w0.2: v1(-83.175,17.7) -81.85,17.7 Q5_U_V1_input_channel_noNegSply_sch1.3@-81.825,17.675 Q5_U_V1_input_channel_noNegSply_sch1.3@-81.2,17.675
  Inner layer 2 w0.2: v1(-83.175,17.7) -79.8,17.7 -78.3,19.2 -78.3,21.7 -73.7,26.3 -73.7,38.3 -68.4,43.6 -68.4,49.4 -63.9,53.9 -63.9,59.8 -65.33,61.23 J1.10@-65.33,73.14
DUT-GND-DIG: FB13.1 J1.1 | length 81.5
  Top Layer w0.2: v1(-47.1,72.9) -41.7,72.9 -41.1,72.3 v1(-39.1,72.3) ; v1(-3.1,70.3) FB13.1@-2.15,70.3
  Bottom Layer w0.2: J1.1@-76.76,70.6 -76.76,73.94 -76.1,74.6 -48.8,74.6 v1(-47.1,72.9) ; v1(-39.1,72.3) -37.8,71 -34.7,71 -32.2,68.5 -13.8,68.5 -12,70.3 v1(-3.1,70.3)